# Altium PCB STM32F7_CoreBoard Last Design.PcbDoc (part 1 of 2) (continued)
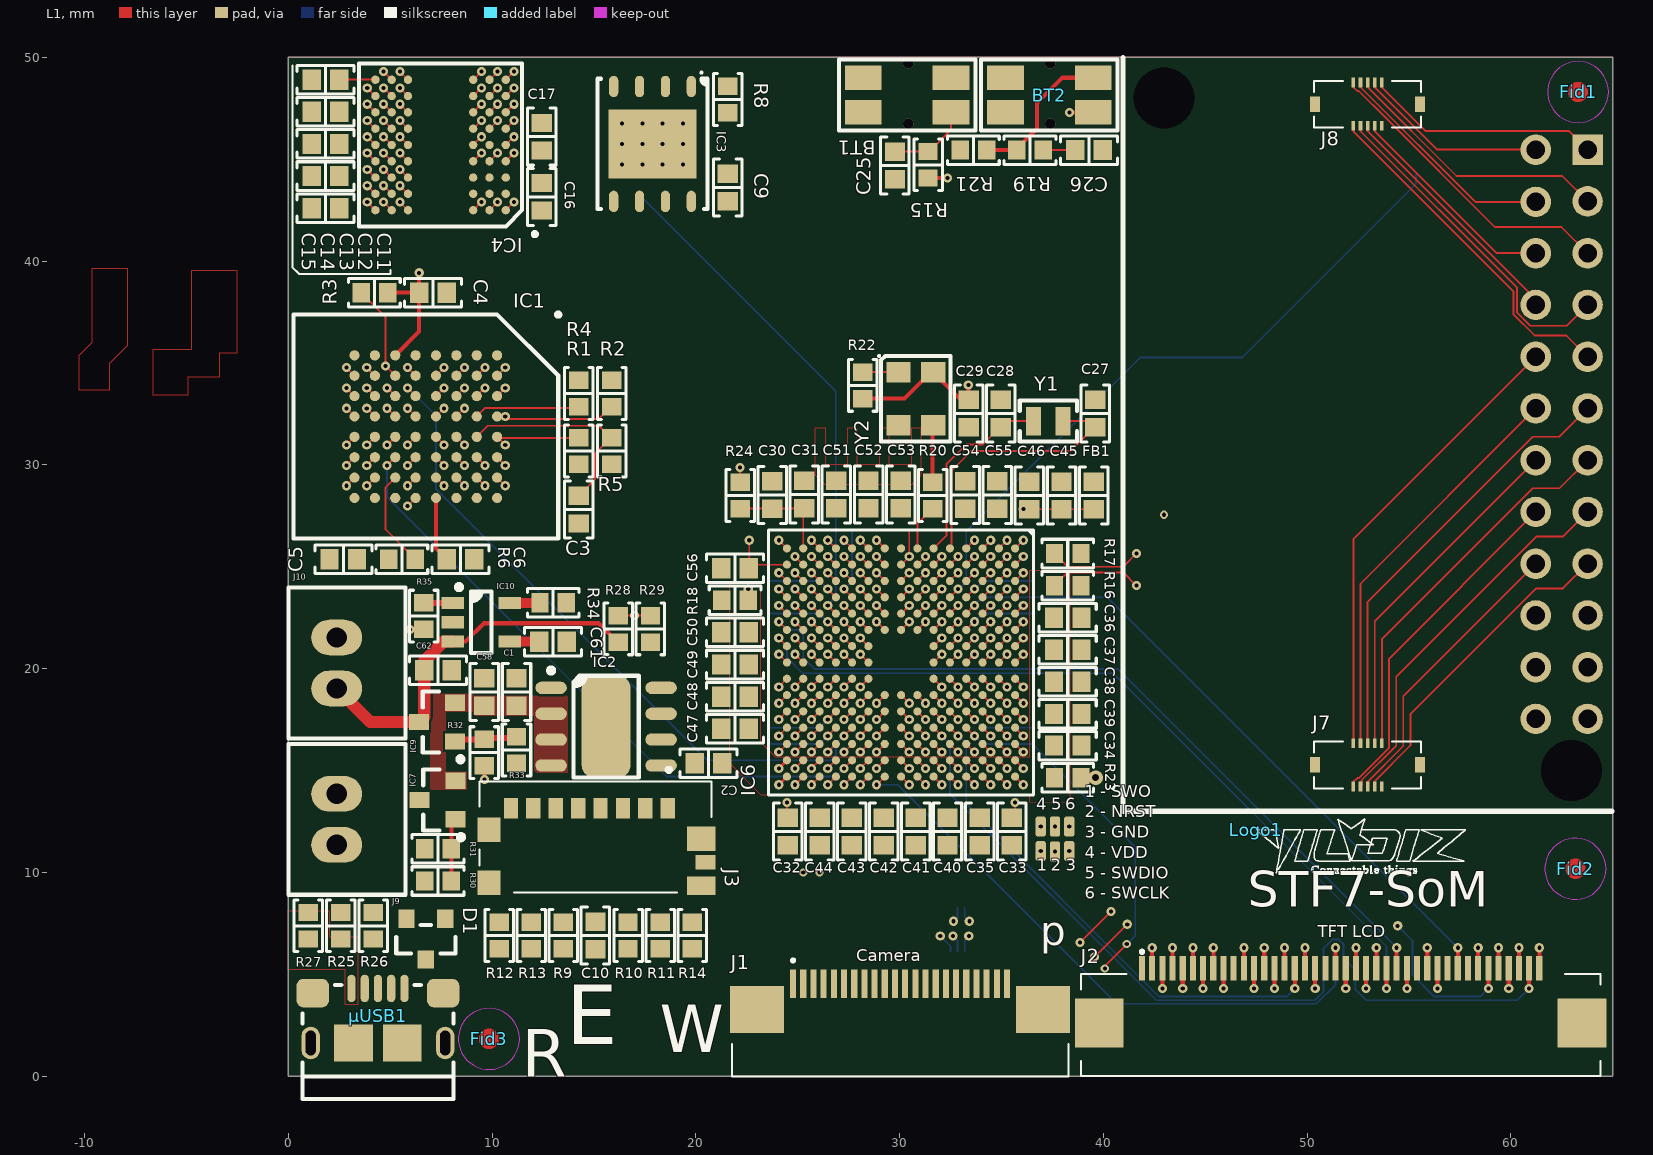
[diagram p0: L1 view]
## Part data (continued)
IC3: library part "WINBOND FLASH SPI 8PIN", Manufacturer=Winbond, Manufacturer Part Number=W25Q128JVPIM, Supplier Part Number 1=W25Q128JVPIM-ND, ComponentLink1Description=http://www.winbond.com/resource-files/w25q128jv_dtr%20revc%2003272018%20plus.pdf?src-supplier=Digi-Key, ComponentLink1URL=http://www.winbond.com/resource-files/w25q128jv_dtr%20revc%2003272018%20plus.pdf?src-supplier=Digi-Key, Pricing 1="1 = 1,47000, 10 = 1,34200, 25 = 1,30640, 50 = 1,29940, 100 = 1,16150, 250 = 1,15808, 500 = 1,14084, 1000 = 1,09189, 5000 = 1,01675 (USD)", RoHS=No, Stock 1=3127, Supplier 1=Digi-Key
IC4: library part "MICRON 256Mb SDRAM", "MT48LC64M4A2 – 16 Meg x 4 x 4 banks / MT48LC32M8A2 – 8 Meg x 8 x 4 banks / MT48LC16M16A2 – 4 Meg x 16 x 4 banks", Manufacturer="Alliance Memory", Manufacturer Part Number=MT48LC16M16A2F4-6A:GTR, Supplier Part Number 1=1450-1350-1-ND, ComponentLink1Description=https://media.digikey.com/pdf/Data%20Sheets/Alliance%20Memory%20PDFs/MT48LC64M4A2,%2032M8A2,%2016M16A2.pdf?src-supplier=Digi-Key, ComponentLink1URL=https://media.digikey.com/pdf/Data%20Sheets/Alliance%20Memory%20PDFs/MT48LC64M4A2,%2032M8A2,%2016M16A2.pdf?src-supplier=Digi-Key, Pricing 1="1 = 3,29000, 10 = 2,95500, 25 = 2,90800, 50 = 2,90020, 100 = 2,59150, 250 = 2,50728, 500 = 2,49792, 1000 = 2,32640 (USD)", RoHS=No, Stock 1=1333, Supplier 1=Digi-Key
IC6: library part "ST STM32F75XNXH 216 PIN", "Arm®-based Cortex®-M7 32b MCU+FPU, 462DMIPS, 64KB Flash/320+16+ 4KB RAM, USB OTG HS/FS, 25 com IF, Cam, LCD", Manufacturer=STMicroelectronics, Manufacturer Part Number=STM32F750N8H6, Supplier Part Number 1=497-18106-ND, ComponentLink1Description=https://www.st.com/resource/en/datasheet/stm32f750v8.pdf?src-supplier=Digi-Key, ComponentLink1URL=https://www.st.com/resource/en/datasheet/stm32f750v8.pdf?src-supplier=Digi-Key, Pricing 1="1 = 9,70000, 10 = 8,76200, 25 = 8,35480, 100 = 7,25440, 250 = 6,92836, 500 = 6,31702, 1000 = 5,50193 (USD)", RoHS=No, Stock 1=61, Supplier 1=Digi-Key
IC7: library part IRLML6244TRPBF, "MOSFET N-CH 20V 6.3A SOT-23", Case/Package=SOT-23, Continuous Drain Current (ID)=6.3A, Drain to Source Breakdown Voltage=20V, Drain to Source Resistance=21mR, Gate to Source Voltage (Vgs)=12V, Input Capacitance=700pF, Manufacturer="International Rectifier", Max Operating Temperature=150°C, Max Power Dissipation=1.3W, Min Operating Temperature=-55°C, On-State Resistance=27MR, Package Quantity=3000, Supplier Part Number 1=IRLML6244TRPBFCT-ND, Threshold Voltage=900mV, ComponentLink1Description=Datasheet, ComponentLink1URL=https://www.infineon.com/dgdl/irlml6244pbf.pdf?fileId=5546d462533600a4015356686fed261f, ComponentLink2Description="DigiKey Link", ComponentLink2URL=http://digikey.com/product-detail/en/infineon-technologies/IRLML6244TRPBF/IRLML6244TRPBFCT-ND/2393877, ComponentLink3Description=https://datasheet.ciiva.com/7935/irlml6244pbf-7935686.pdf?src-supplier=Element14, ComponentLink3URL=https://datasheet.ciiva.com/7935/irlml6244pbf-7935686.pdf?src-supplier=Element14, ComponentLink4Description=https://datasheet.ciiva.com/6369/irlml6244pbf-6369001.pdf?src-supplier=Digi-Key, ComponentLink4URL=https://datasheet.ciiva.com/6369/irlml6244pbf-6369001.pdf?src-supplier=Digi-Key, ComponentLink5Description=https://datasheet.ciiva.com/6369/irlml6244pbf-6369003.pdf?src-supplier=Digi-Key, ComponentLink5URL=https://datasheet.ciiva.com/6369/irlml6244pbf-6369003.pdf?src-supplier=Digi-Key, ComponentLink6Description=https://datasheet.ciiva.com/6369/irlml6244pbf-6369005.pdf?src-supplier=Digi-Key, ComponentLink6URL=https://datasheet.ciiva.com/6369/irlml6244pbf-6369005.pdf?src-supplier=Digi-Key, ComponentLink7Description=https://datasheet.ciiva.com/29325/161189-da-01-en-mosfet-irlml6244trpbf-sot23-ir-29325543.pdf?src-supplier=Conrad, ComponentLink7URL=https://datasheet.ciiva.com/29325/161189-da-01-en-mosfet-irlml6244trpbf-sot23-ir-29325543.pdf?src-supplier=Conrad, Drain to Source Voltage (Vdss)=20V, Element Configuration=Single, Fall Time=12ns, Height=1.02mm, Lead Free="Lead Free", Length=3.04mm, Manufacturer Part Number=IRLML6244TRPBF, Mount="Surface Mount", Nominal Vgs=12V, Number of Elements=1, Number of Pins=3, Packaging="Tape and Reel", Power Dissipation=1.3W, Pricing 1="1 = 0,36000, 10 = 0,29400, 25 = 0,26880, 100 = 0,16880, 250 = 0,16688, 500 = 0,15626, 1000 = 0,10625 (USD)", Radiation Hardening=No, Rds On Max=21mR, REACH SVHC="No SVHC", Recovery Time=18ns, Rise Time=7.5ns, RoHS=Yes, Stock 1=35650, Supplier 1=Digi-Key, Turn-Off Delay Time=19ns, Turn-On Delay Time=4.9ns, Width=1.4mm
IC9: library part IRLML6402TRPBF, "MOSFET P-CH 20V 3.7A SOT-23", Case/Package=SOT-23, Continuous Drain Current (ID)=3.7A, Current Rating=-3.7A, Drain to Source Breakdown Voltage=-20V, Drain to Source Resistance=65mR, Drain to Source Voltage (Vdss)=20V, Gate to Source Voltage (Vgs)=12V, Input Capacitance=633pF, Manufacturer="International Rectifier", Max Operating Temperature=150°C, Max Power Dissipation=1.3W, Min Operating Temperature=-55°C, Package Quantity=1, Supplier Part Number 1=IRLML6402PBFCT-ND, Threshold Voltage=-550mV, ComponentLink1Description=Datasheet, ComponentLink1URL=https://www.infineon.com/dgdl/irlml6402pbf.pdf?fileId=5546d462533600a401535668d5c2263c, ComponentLink2Description="DigiKey Link", ComponentLink2URL=http://digikey.com/product-detail/en/infineon-technologies/IRLML6402TRPBF/IRLML6402PBFCT-ND/812500, ComponentLink3Description=https://datasheet.ciiva.com/34302/1563729-34302500.pdf?src-supplier=Jameco, ComponentLink3URL=https://datasheet.ciiva.com/34302/1563729-34302500.pdf?src-supplier=Jameco, ComponentLink4Description=https://datasheet.ciiva.com/7333/irlml6402-7333200.pdf?src-supplier=Newark, ComponentLink4URL=https://datasheet.ciiva.com/7333/irlml6402-7333200.pdf?src-supplier=Newark, ComponentLink5Description=https://datasheet.ciiva.com/28515/irlml6402pbf-28515795.pdf?src-supplier=Element14, ComponentLink5URL=https://datasheet.ciiva.com/28515/irlml6402pbf-28515795.pdf?src-supplier=Element14, ComponentLink6Description=https://datasheet.ciiva.com/7799/13209-7799017.pdf?src-supplier=Element14, ComponentLink6URL=https://datasheet.ciiva.com/7799/13209-7799017.pdf?src-supplier=Element14, ComponentLink7Description=https://datasheet.ciiva.com/29326/162833-da-01-en-irlml-6402tr-29326798.pdf?src-supplier=Conrad, ComponentLink7URL=https://datasheet.ciiva.com/29326/162833-da-01-en-irlml-6402tr-29326798.pdf?src-supplier=Conrad, ComponentLink8Description=https://datasheet.ciiva.com/936/irlml6402pbf-936987.pdf?src-supplier=Digi-Key, ComponentLink8URL=https://datasheet.ciiva.com/936/irlml6402pbf-936987.pdf?src-supplier=Digi-Key, ComponentLink9Description=https://datasheet.ciiva.com/16311/irlml6402pbf-16311535.pdf?src-supplier=Future+Electronics, ComponentLink9URL=https://datasheet.ciiva.com/16311/irlml6402pbf-16311535.pdf?src-supplier=Future+Electronics, Dual Supply Voltage=-20V, Element Configuration=Single, Fall Time=381ns, Height=1.02mm, Lead Free="Lead Free", Length=3.04mm, Manufacturer Part Number=IRLML6402TRPBF, Mount="Surface Mount", Nominal Vgs=-550mV, Number of Elements=1, Number of Pins=3, On-State Resistance=65mR, Packaging="Tape and Reel", Power Dissipation=1.3W, Pricing 1="1 = 0,36000, 10 = 0,28800, 25 = 0,26360, 100 = 0,16550, 250 = 0,16368, 500 = 0,15326, 1000 = 0,10421 (USD)", Radiation Hardening=No, Rds On Max=65mR, REACH SVHC="No SVHC", Rise Time=48ns, RoHS=Yes, Stock 1=132544, Supplier 1=Digi-Key, Termination=SMD/SMT, Turn-Off Delay Time=588ns, Turn-On Delay Time=350ns, Voltage Rating (DC)=-20V, Width=1.4mm
IC10: library part "MICROCHIP MCP73831", "Miniature Single-Cell, Fully integrated Li-Ion, Li-Polymer charge management controllers", Manufacturer=Microchip, Manufacturer Part Number=MCP73831T-2ACI/OT, Supplier Part Number 1=MCP73831T-2ACI/OTCT-ND, ComponentLink1Description=https://datasheet.ciiva.com/22828/0900766b80d2b53a-22828876.pdf?src-supplier=RSComponents, ComponentLink1URL=https://datasheet.ciiva.com/22828/0900766b80d2b53a-22828876.pdf?src-supplier=RSComponents, ComponentLink2Description=https://datasheet.ciiva.com/26344/651521-da-01-en-contr-mcp73831t-2aci-ot-sot-23-5-mcp-26344458.pdf?src-supplier=Conrad, ComponentLink2URL=https://datasheet.ciiva.com/26344/651521-da-01-en-contr-mcp73831t-2aci-ot-sot-23-5-mcp-26344458.pdf?src-supplier=Conrad, ComponentLink3Description=https://datasheet.ciiva.com/1931/21984e-1931953.pdf?src-supplier=Digi-Key, ComponentLink3URL=https://datasheet.ciiva.com/1931/21984e-1931953.pdf?src-supplier=Digi-Key, ComponentLink4Description=https://datasheet.ciiva.com/1931/21984e-1931954.pdf?src-supplier=Digi-Key, ComponentLink4URL=https://datasheet.ciiva.com/1931/21984e-1931954.pdf?src-supplier=Digi-Key, ComponentLink5Description=https://datasheet.ciiva.com/1137/630369-1137803.pdf?src-supplier=Element14, ComponentLink5URL=https://datasheet.ciiva.com/1137/630369-1137803.pdf?src-supplier=Element14, ComponentLink6Description=https://datasheet.ciiva.com/1144/630369-1144461.pdf?src-supplier=Newark, ComponentLink6URL=https://datasheet.ciiva.com/1144/630369-1144461.pdf?src-supplier=Newark, ComponentLink7Description=https://datasheet.ciiva.com/1931/21984e-1931955.pdf?src-supplier=Digi-Key, ComponentLink7URL=https://datasheet.ciiva.com/1931/21984e-1931955.pdf?src-supplier=Digi-Key, ComponentLink8Description=https://datasheet.ciiva.com/28626/630369-28626439.pdf?src-supplier=Element14, ComponentLink8URL=https://datasheet.ciiva.com/28626/630369-28626439.pdf?src-supplier=Element14, ComponentLink9Description=https://datasheet.ciiva.com/3213/21984e-3213404.pdf?src-supplier=Avnet, ComponentLink9URL=https://datasheet.ciiva.com/3213/21984e-3213404.pdf?src-supplier=Avnet, ComponentLink10Description=https://datasheet.ciiva.com/46385/630369-46385324.pdf?src-supplier=Element14, ComponentLink10URL=https://datasheet.ciiva.com/46385/630369-46385324.pdf?src-supplier=Element14, Pricing 1="1 = 0,56000, 25 = 0,47000, 100 = 0,42000 (USD)", RoHS=Yes, Stock 1=29869, Supplier 1=Digi-Key
J1: library part FPC-22, "Connector", Contact Resistance=30mR, Current Rating=500mA, Flammability Rating="UL94 V-0", Housing Color=Black, Insulation Resistance=100MR, Manufacturer="Amphenol FCI", Manufacturer Part Number=SFV22R-2STE1HLF, Max Operating Temperature=105°C, Max Voltage Rating (AC)=50V, Min Operating Temperature=-55°C, Package Quantity=3000, Supplier Part Number 1=609-4319-1-ND, Actuator Material=Glass,Polyphenylene, ComponentLink1Description=https://datasheet.ciiva.com/670/10112793-670003.pdf?src-supplier=Digi-Key, ComponentLink1URL=https://datasheet.ciiva.com/670/10112793-670003.pdf?src-supplier=Digi-Key, ComponentLink2Description=https://datasheet.ciiva.com/670/10112793-670004.pdf?src-supplier=Digi-Key, ComponentLink2URL=https://datasheet.ciiva.com/670/10112793-670004.pdf?src-supplier=Digi-Key, ComponentLink3Description=https://datasheet.ciiva.com/13704/10112793-13704492.pdf?src-supplier=Mouser, ComponentLink3URL=https://datasheet.ciiva.com/13704/10112793-13704492.pdf?src-supplier=Mouser, ComponentLink4Description=https://datasheet.ciiva.com/670/10112793-670005.pdf?src-supplier=Digi-Key, ComponentLink4URL=https://datasheet.ciiva.com/670/10112793-670005.pdf?src-supplier=Digi-Key, ComponentLink5Description=https://datasheet.ciiva.com/10368/10112793-10368190.pdf?src-supplier=Avnet, ComponentLink5URL=https://datasheet.ciiva.com/10368/10112793-10368190.pdf?src-supplier=Avnet, Contact Location=Top, Contact Material=Bronze, Contact Plating=Tin, Depth=4.9mm, Housing Material=Polymer, Length=16.5mm, Max Current Rating=500mA, Mount="Surface Mount", Number of Contacts=22, Number of Positions=22, Number of Rows=1, Orientation="Right Angle", Packaging="Tape and Reel", Pitch=0.5mm, Pricing 1="1 = 0,79000, 10 = 0,74300, 25 = 0,66840, 50 = 0,59420, 100 = 0,56950, 250 = 0,52000, 500 = 0,49522, 1000 = 0,40856 (USD)", Radiation Hardening=No, RoHS=Yes, Stock 1=2152, Supplier 1=Digi-Key, Termination=Solder, Voltage Rating=50V, Wire/Cable Type=Straight
J2: library part FPC-40, "Connector", Contact Resistance=30mR, Current Rating=500mA, Flammability Rating="UL94 V-0", Housing Color=Beige, Insulation Resistance=100MR, Manufacturer="Amphenol FCI", Manufacturer Part Number=62684-401100ALF, Max Operating Temperature=85°C, Max Voltage Rating (AC)=50V, Min Operating Temperature=-55°C, Package Quantity=2000, Supplier Part Number 1=609-1195-1-ND, Actuator Material=Glass,Thermoplastic, ComponentLink1Description=https://datasheet.ciiva.com/25631/0900766b8118e51f-25631168.pdf?src-supplier=RSComponents, ComponentLink1URL=https://datasheet.ciiva.com/25631/0900766b8118e51f-25631168.pdf?src-supplier=RSComponents, ComponentLink2Description=https://datasheet.ciiva.com/3112/62684-3112007.pdf?src-supplier=Avnet, ComponentLink2URL=https://datasheet.ciiva.com/3112/62684-3112007.pdf?src-supplier=Avnet, ComponentLink3Description=https://datasheet.ciiva.com/670/62684-670200.pdf?src-supplier=Digi-Key, ComponentLink3URL=https://datasheet.ciiva.com/670/62684-670200.pdf?src-supplier=Digi-Key, ComponentLink4Description=https://datasheet.ciiva.com/670/62684-670201.pdf?src-supplier=Digi-Key, ComponentLink4URL=https://datasheet.ciiva.com/670/62684-670201.pdf?src-supplier=Digi-Key, ComponentLink5Description=https://datasheet.ciiva.com/670/62684-670202.pdf?src-supplier=Digi-Key, ComponentLink5URL=https://datasheet.ciiva.com/670/62684-670202.pdf?src-supplier=Digi-Key, ComponentLink6Description=https://datasheet.ciiva.com/16659/62684-16659882.pdf?src-supplier=Avnet+Europe, ComponentLink6URL=https://datasheet.ciiva.com/16659/62684-16659882.pdf?src-supplier=Avnet+Europe, ComponentLink7Description=https://datasheet.ciiva.com/16709/70236840-16709916.pdf?src-supplier=Allied+Electronics, ComponentLink7URL=https://datasheet.ciiva.com/16709/70236840-16709916.pdf?src-supplier=Allied+Electronics, ComponentLink8Description=https://datasheet.ciiva.com/3112/62684-3112397.pdf?src-supplier=Avnet, ComponentLink8URL=https://datasheet.ciiva.com/3112/62684-3112397.pdf?src-supplier=Avnet, ComponentLink9Description=https://datasheet.ciiva.com/5772/62684-5772782.pdf?src-supplier=Farnell, ComponentLink9URL=https://datasheet.ciiva.com/5772/62684-5772782.pdf?src-supplier=Farnell, Contact Location=Bottom, Contact Material=Bronze, Contact Plating=Gold, Depth=5mm, Gender=Receptacle, Housing Material=Thermoplastic, Lead Free="Lead Free", Length=25.5mm, Max Voltage Rating (DC)=50V, Mount="Surface Mount", Number of Contacts=40, Number of Positions=40, Number of Rows=1, Orientation="Right Angle", Packaging="Tape and Reel", Pitch=0.5mm, Pricing 1="1 = 0,97000, 10 = 0,85600, 25 = 0,80600, 50 = 0,77240, 100 = 0,73880, 250 = 0,67168, 500 = 0,60450, 1000 = 0,53733 (USD)", REACH SVHC="No SVHC", RoHS=Yes, Stock 1=13351, Supplier 1=Digi-Key, Termination=Solder, Voltage Rating=50V, Width=5mm
J3: library part "uSD Card", "Connector", Manufacturer=Molex, Manufacturer Part Number=0475710001, Max Operating Temperature=85°C, Min Operating Temperature=-40°C, Package Quantity=1500, Supplier Part Number 1=WM9731CT-ND, ComponentLink1Description=https://datasheet.ciiva.com/15082/475710001-sd-15082838.pdf?src-supplier=Digi-Key, ComponentLink1URL=https://datasheet.ciiva.com/15082/475710001-sd-15082838.pdf?src-supplier=Digi-Key, ComponentLink2Description=https://datasheet.ciiva.com/3938/228290475710001-memory-card-socket-3938351.pdf?src-supplier=Arrow, ComponentLink2URL=https://datasheet.ciiva.com/3938/228290475710001-memory-card-socket-3938351.pdf?src-supplier=Arrow, ComponentLink3Description=https://datasheet.ciiva.com/2943/0475710001-memory-card-socket-2943559.pdf?src-supplier=Digi-Key, ComponentLink3URL=https://datasheet.ciiva.com/2943/0475710001-memory-card-socket-2943559.pdf?src-supplier=Digi-Key, ComponentLink4Description=https://datasheet.ciiva.com/15082/475710001-sd-15082839.pdf?src-supplier=Digi-Key, ComponentLink4URL=https://datasheet.ciiva.com/15082/475710001-sd-15082839.pdf?src-supplier=Digi-Key, ComponentLink5Description=https://datasheet.ciiva.com/15082/475710001-sd-15082840.pdf?src-supplier=Digi-Key, ComponentLink5URL=https://datasheet.ciiva.com/15082/475710001-sd-15082840.pdf?src-supplier=Digi-Key, Connector Type=Connector, Contact Material=Bronze, Contact Plating=Gold, Datasheet Link=https://www.molex.com/pdm_docs/sd/475710001_sd.pdf, Depth=5.45mm, Height=2.3mm, Housing Material=Polymer, Length=11.4mm, Mount="Surface Mount", Number of Contacts=8, Number of Rows=1, Orientation="Right Angle", Packaging="Tape and Reel", Pitch=1.1mm, Pricing 1="1 = 1,030000, 10 = 0,906000, 25 = 0,852400, 50 = 0,817000, 100 = 0,781400, 250 = 0,710400, 500 = 0,639340 (USD)", RoHS=Yes, Stock 1=37136, Supplier 1=Digi-Key, Termination=Solder
J5 J6 J7 J8 J11: library part "12 Pin (10 + 2 Power) B2B Socket", "Board to Board Connector", Manufacturer=Hirose, Manufacturer Part Number=BM24-10DS/2-0.35V(53), Supplier Part Number 1=H124928CT-ND, ComponentLink1Description=https://media.digikey.com/pdf/Data%20Sheets/Hirose%20PDFs/BM24.pdf?src-supplier=Digi-Key, ComponentLink1URL=https://media.digikey.com/pdf/Data%20Sheets/Hirose%20PDFs/BM24.pdf?src-supplier=Digi-Key, ComponentLink2Description=https://www.hirose.com/product/download/?distributor=digikey&type=2d&lang=en&num=BM24-10DS/2-0.35V(53)&src-supplier=Digi-Key, ComponentLink2URL=https://www.hirose.com/product/download/?distributor=digikey&type=2d&lang=en&num=BM24-10DS/2-0.35V(53)&src-supplier=Digi-Key, ComponentLink3Description=https://www.hirose.com/product/en/download_file/key_name/BM24-10DS__2-0.35V%2853%29/category/Specification%20Sheet/doc_file_id/87041/?file_category_id=9&item_id=06772002153&is_series=&src-supplier=Digi-Key, ComponentLink3URL=https://www.hirose.com/product/en/download_file/key_name/BM24-10DS__2-0.35V%2853%29/category/Specification%20Sheet/doc_file_id/87041/?file_category_id=9&item_id=06772002153&is_series=&src-supplier=Digi-Key, Connector Type=Socket, Contact Plating=Gold, Mated Stacking Heights=0.8mm, Mount="Surface Mount", Number of Pins=10, Number of Rows=2, Packaging="Tape and Reel", Pitch=0.014inch, Pricing 1="1 = 1,05000, 10 = 0,92600, 25 = 0,87120, 50 = 0,83500, 100 = 0,79860, 250 = 0,72600, 500 = 0,65340 (USD)", RoHS=Yes, Stock 1=2056, Supplier 1=Digi-Key
J9 J10: Color=Natural, Manufacturer=JST, Manufacturer Part Number=BM02B-GHS-TBT(LF)(SN)(N), Supplier Part Number 1=455-1578-1-ND, ComponentLink1Description=http://www.jst-mfg.com/product/pdf/eng/eGH.pdf?src-supplier=Digi-Key, ComponentLink1URL=http://www.jst-mfg.com/product/pdf/eng/eGH.pdf?src-supplier=Digi-Key, Connector Type="Outer Shroud Contact", Contact Plating=Tin, Fastening Type=Ramp, Lead Free="Lead Free", Mount="Surface Mount", Number of Positions=2, Number of Rows=1, Packaging="Tape and Reel", Pitch=0.049inch, Pricing 1="1 = 0,43000, 10 = 0,40500, 100 = 0,28330, 500 = 0,24284, 1000 = 0,20236 (USD)", RoHS=Yes, Stock 1=38486, Supplier 1=Digi-Key, Termination=Solder
Logo1 Logo2: library part Logo, "Schematic symbol for Logo"
R1 R2 R3 R4 R5 R6 R8 R14 R15 R16 R17 R18 R19 R21 R22 R30 R31 R32 R33 R35: library part Resistor_Chip, "Ceramic, SMT Capacitor", Case/Package=0603, Case Code (Metric)=1608, Manufacturer="Stackpole Electronics", Manufacturer Part Number=RNCP0603FTD10K0, Max Operating Temperature=155°C, Max Power Dissipation=125mW, Min Operating Temperature=-55°C, Supplier Part Number 1=RNCP0603FTD10K0CT-ND, Temperature Coefficient=100ppm/°C, Tolerance=1%, Case Code (Imperial)=0603, Composition="Thin Film", Height=0.02inch, Lead Free="Lead Free", Length=0.059inch, Mount="Surface Mount", Number of Terminations=2, Packaging="Tape and Reel", Pricing 1="1 = 0,10000, 10 = 0,06700, 100 = 0,02730, 1000 = 0,01224, 2500 = 0,01063 (USD)", Radiation Hardening=No, Resistance=10kR, RoHS=Yes, Supplier 1=Digi-Key, Width=0.031inch
  R1 R2 R3 R4 R5 R6 R8: ComponentLink1Description=https://www.seielect.com/Catalog/SEI-rncp.pdf?src-supplier=Avnet, ComponentLink1URL=https://www.seielect.com/Catalog/SEI-rncp.pdf?src-supplier=Avnet, ComponentLink2Description=https://www.seielect.com/catalog/SEI-Packaging.pdf?src-supplier=Digi-Key, ComponentLink2URL=https://www.seielect.com/catalog/SEI-Packaging.pdf?src-supplier=Digi-Key, ComponentLink3Description=https://www.seielect.com/Catalog/SEI-rncp.pdf?src-supplier=Digi-Key, ComponentLink3URL=https://www.seielect.com/Catalog/SEI-rncp.pdf?src-supplier=Digi-Key, Contact Plating=Tin,Matte, Features="Moisture Resistant,Anti-Sulfur", Stock 1=619664
  R14 R15 R16 R17 R18 R19 R21 R22 R30 R31 R32 R33 R35: Contact Plating=Matte,Tin, Features="Anti-Sulfur,Moisture Resistant", Stock 1=183083
R9 R10 R11 R12 R13: library part Resistor_Chip, "Ceramic, SMT Capacitor", Case/Package=0603, Case Code (Metric)=1608, Manufacturer=Yageo, Manufacturer Part Number=RC0603JR-074K7L, Max Operating Temperature=155°C, Min Operating Temperature=-55°C, Power Rating=100mW, Supplier Part Number 1=311-4.7KGRCT-ND, Temperature Coefficient=100ppm/°C, Tolerance=5%, Voltage Rating=50V, Case Code (Imperial)=0603, ComponentLink1Description=https://datasheet.ciiva.com/46412/443971-46412858.pdf?src-supplier=Element14, ComponentLink1URL=https://datasheet.ciiva.com/46412/443971-46412858.pdf?src-supplier=Element14, Composition="Thick Film", Depth=0.8mm, Lead Free="Lead Free", Length=1.6mm, Military Standard=Not, Number of Pins=2, Packaging="Tape and Reel", Pricing 1="1 = 0,10000, 10 = 0,02000, 100 = 0,00810, 1000 = 0,00362, 2500 = 0,00314 (USD)", REACH SVHC="No SVHC", Resistance=4.7kR, RoHS=Yes, Stock 1=18785107, Supplier 1=Digi-Key, Termination=SMD/SMT, Voltage Rating (DC)=50V, Width=0.8mm
R20: library part Resistor_Chip, "Ceramic, SMT Capacitor", Case/Package=0603, Case Code (Metric)=1608, Manufacturer="Stackpole Electronics", Manufacturer Part Number=RMCF0603FT100R, Max Operating Temperature=155°C, Max Power Dissipation=100mW, Min Operating Temperature=-55°C, Supplier Part Number 1=RMCF0603FT100RCT-ND, Temperature Coefficient=100ppm/°C, Tolerance=1%, Case Code (Imperial)=0603, ComponentLink1Description=https://datasheet.ciiva.com/15215/getdatasheetpartid-360413-15215981.pdf?src-supplier=Verical, ComponentLink1URL=https://datasheet.ciiva.com/15215/getdatasheetpartid-360413-15215981.pdf?src-supplier=Verical, Composition="Thick Film", Contact Plating=Tin, Depth=0.8mm, Features="Automotive AEC-Q200", Height=0.022inch, Lead Free="Lead Free", Length=1.55mm, Military Standard=Not, Mount="Surface Mount", Number of Terminations=2, Packaging="Tape and Reel", Power Rating=100mW, Pricing 1="1 = 0,10000, 10 = 0,01700, 100 = 0,00680, 1000 = 0,00306, 2500 = 0,00266 (USD)", Radiation Hardening=No, Resistance=100R, RoHS=Yes, Stock 1=3526625, Supplier 1=Digi-Key, Width=0.031inch
R23 R24: library part Resistor_Chip, "Ceramic, SMT Capacitor", Case/Package=0603, Case Code (Metric)=1608, Current Rating=1A, Manufacturer="Stackpole Electronics", Manufacturer Part Number=RMCF0603ZT0R00, Max Operating Temperature=155°C, Max Power Dissipation=100mW, Min Operating Temperature=-55°C, Supplier Part Number 1=RMCF0603ZT0R00CT-ND, Working Voltage=75V, Case Code (Imperial)=0603, ComponentLink1Description=https://www.seielect.com/catalog/SEI-Packaging.pdf?src-supplier=Avnet, ComponentLink1URL=https://www.seielect.com/catalog/SEI-Packaging.pdf?src-supplier=Avnet, ComponentLink2Description=https://www.seielect.com/catalog/SEI-Packaging.pdf?src-supplier=Verical, ComponentLink2URL=https://www.seielect.com/catalog/SEI-Packaging.pdf?src-supplier=Verical, ComponentLink3Description=https://www.seielect.com/catalog/SEI-Packaging.pdf?src-supplier=Arrow, ComponentLink3URL=https://www.seielect.com/catalog/SEI-Packaging.pdf?src-supplier=Arrow, ComponentLink4Description=https://www.seielect.com/catalog/SEI-Packaging.pdf?src-supplier=Digi-Key, ComponentLink4URL=https://www.seielect.com/catalog/SEI-Packaging.pdf?src-supplier=Digi-Key, ComponentLink5Description=https://www.seielect.com/Catalog/SEI-RMCF_RMCP.pdf?src-supplier=Digi-Key, ComponentLink5URL=https://www.seielect.com/Catalog/SEI-RMCF_RMCP.pdf?src-supplier=Digi-Key, ComponentLink6Description=https://www.seielect.com/catalog/SEI-RMCF_RMCP.pdf?src-supplier=Avnet+Asia, ComponentLink6URL=https://www.seielect.com/catalog/SEI-RMCF_RMCP.pdf?src-supplier=Avnet+Asia, ComponentLink7Description=http://www.seielect.com/catalog/sei-rmc.pdf?src-supplier=Future+Electronics, ComponentLink7URL=http://www.seielect.com/catalog/sei-rmc.pdf?src-supplier=Future+Electronics, ComponentLink8Description=https://www.seielect.com/catalog/SEI-Packaging.pdf?src-supplier=Future+Electronics, ComponentLink8URL=https://www.seielect.com/catalog/SEI-Packaging.pdf?src-supplier=Future+Electronics, Composition="Thick Film", Contact Plating=Tin, Depth=0.8mm, Features="Automotive AEC-Q200", Height=0.022inch, Lead Free="Lead Free", Length=1.55mm, Military Standard=Not, Mount="Surface Mount", NC=NC, Number of Terminations=2, Packaging="Tape and Reel", Power Rating=100mW, Pricing 1="1 = 0,10000, 10 = 0,01600, 25 = 0,01160, 50 = 0,00880, 100 = 0,00640, 250 = 0,00492, 500 = 0,00392, 1000 = 0,00289 (USD)", Radiation Hardening=No, Resistance=0mR, RoHS=Yes, Stock 1=3894946, Supplier 1=Digi-Key, Width=0.031inch
R25 R26: library part Resistor_Chip, "Ceramic, SMT Capacitor", Case/Package=0603, Case Code (Metric)=1608, Manufacturer=Panasonic, Manufacturer Part Number=ERJ3EKF20R0V, Max Operating Temperature=155°C, Max Power Dissipation=100mW, Min Operating Temperature=-55°C, Package Quantity=1, Supplier Part Number 1=P20.0HCT-ND, Temperature Coefficient=100ppm/°C, Tolerance=1%, Voltage Rating=75V, Voltage Rating (DC)=50V, Case Code (Imperial)=0603, ComponentLink1Description=http://industrial.panasonic.com/www-data/pdf/AOA0000/AOA0000CE2.pdf, ComponentLink1URL=http://industrial.panasonic.com/www-data/pdf/AOA0000/AOA0000CE2.pdf, ComponentLink2Description=https://www.alliedelec.com/m/d/623f45ff1957d936ff56d46fd1c28cac.pdf, ComponentLink2URL=https://www.alliedelec.com/m/d/623f45ff1957d936ff56d46fd1c28cac.pdf, ComponentLink3Description=http://www.jameco.com/Jameco/Products/ProdDS/1987732.pdf, ComponentLink3URL=http://www.jameco.com/Jameco/Products/ProdDS/1987732.pdf, ComponentLink4Description=http://www.farnell.com/datasheets/1678782.pdf, ComponentLink4URL=http://www.farnell.com/datasheets/1678782.pdf, ComponentLink5Description=http://www.farnell.com/datasheets/1911175.pdf, ComponentLink5URL=http://www.farnell.com/datasheets/1911175.pdf, ComponentLink6Description=http://www.mouser.com/ds/2/315/AOA0000CE2-37512.pdf, ComponentLink6URL=http://www.mouser.com/ds/2/315/AOA0000CE2-37512.pdf, Composition="Thick Film", Contact Plating=Tin, Depth=0.8mm, Features="Automotive AEC-Q200", Height=0.45mm, Lead Free="Lead Free", Length=1.6mm, Military Standard=Not, Mount="Surface Mount", Number of Terminations=2, Packaging="Tape and Reel", Power Rating=100mW, Pricing 1="1 = 0,10000, 10 = 0,06500, 100 = 0,02640, 1000 = 0,01186, 2500 = 0,01029 (USD)", Radiation Hardening=No, REACH SVHC="No SVHC", Resistance=20R, RoHS=Yes, Stock 1=1013618, Supplier 1=Digi-Key, Termination=SMD/SMT, Width=0.031inch
R27: library part Resistor_Chip, "Ceramic, SMT Capacitor", Case/Package=0603, Manufacturer="Yageo Phycomp", Manufacturer Part Number=RC0603FR-074K7L, Max Operating Temperature=155°C, Min Operating Temperature=-55°C, Power Rating=100mW, Supplier Part Number 1=311-4.70KHRCT-ND, Temperature Coefficient=100ppm/°C, Tolerance=1%, Voltage Rating (DC)=50V, Depth=0.8mm, Height=0.45mm, Lead Free="Lead Free", Length=1.6mm, Mount="Surface Mount", Number of Pins=2, Packaging="Cut Tape", Pricing 1="1 = 0,10000, 10 = 0,02400, 100 = 0,00970, 1000 = 0,00437, 2500 = 0,00379 (USD)", REACH SVHC="No SVHC", Resistance=4.7kR, RoHS=Yes, Stock 1=21621510, Supplier 1=Digi-Key, Width=800um
R28 R29: library part Resistor_Chip, "Ceramic, SMT Capacitor", Case/Package=0603, Case Code (Metric)=1608, Manufacturer="Vishay Dale", Manufacturer Part Number=CRCW060330M0JPEAHR, Max Operating Temperature=155°C, Max Power Dissipation=100mW, Min Operating Temperature=-55°C, Package Quantity=5000, Supplier Part Number 1=541-30MAHCT-ND, Temperature Coefficient=500ppm/°C, Tolerance=5%, Case Code (Imperial)=0603, ComponentLink1Description=https://datasheet.ciiva.com/6566/dcrcwhe3-6566118.pdf?src-supplier=Digi-Key, ComponentLink1URL=https://datasheet.ciiva.com/6566/dcrcwhe3-6566118.pdf?src-supplier=Digi-Key, ComponentLink2Description=https://datasheet.ciiva.com/6566/dcrcwhe3-6566121.pdf?src-supplier=Digi-Key, ComponentLink2URL=https://datasheet.ciiva.com/6566/dcrcwhe3-6566121.pdf?src-supplier=Digi-Key, ComponentLink3Description=https://datasheet.ciiva.com/6566/dcrcwhe3-6566124.pdf?src-supplier=Digi-Key, ComponentLink3URL=https://datasheet.ciiva.com/6566/dcrcwhe3-6566124.pdf?src-supplier=Digi-Key, Composition="Thick Film", Contact Plating=Tin, Height=0.02inch, Length=0.061inch, Number of Terminations=2, Packaging="Tape and Reel", Pricing 1="1 = 0,40000, 10 = 0,28500, 100 = 0,11390, 1000 = 0,05610, 2500 = 0,05198 (USD)", Radiation Hardening=No, Resistance=30MR, RoHS=Yes, Stock 1=39597, Supplier 1=Digi-Key, Width=0.033inch
R34: library part Resistor_Chip, "Ceramic, SMT Capacitor", Case/Package=0603, Case Code (Metric)=1608, Manufacturer=Rohm, Manufacturer Part Number=ESR03EZPJ102, Max Operating Temperature=155°C, Max Power Dissipation=250mW, Min Operating Temperature=-55°C, Package Quantity=1, Supplier Part Number 1=RHM1.0KDCT-ND, Temperature Coefficient=200ppm/°C, Tolerance=5%, Case Code (Imperial)=0603, ComponentLink1Description=https://datasheet.ciiva.com/2469/esr-2469603.pdf?src-supplier=Digi-Key, ComponentLink1URL=https://datasheet.ciiva.com/2469/esr-2469603.pdf?src-supplier=Digi-Key, ComponentLink2Description=https://datasheet.ciiva.com/2469/esr-2469604.pdf?src-supplier=Digi-Key, ComponentLink2URL=https://datasheet.ciiva.com/2469/esr-2469604.pdf?src-supplier=Digi-Key, ComponentLink3Description=https://datasheet.ciiva.com/2469/esr-2469605.pdf?src-supplier=Digi-Key, ComponentLink3URL=https://datasheet.ciiva.com/2469/esr-2469605.pdf?src-supplier=Digi-Key, Composition="Thick Film", Features="Automotive AEC-Q200", Height=0.022inch, Lead Free="Lead Free", Length=0.063inch, Number of Terminations=2, Packaging="Tape and Reel", Pricing 1="1 = 0,10000, 10 = 0,08300, 100 = 0,03180, 1000 = 0,01398, 2500 = 0,01207 (USD)", Resistance=1kR, RoHS=Yes, Stock 1=148117, Supplier 1=Digi-Key, Width=0.031inch
Y1: library part ABS06-32.768KHZ-1-T, "CRYSTAL 32.7680KHZ 12.5PF SMD", Case/Package=CSMD, Device Package=2-SMD, ESR (Equivalent Series Resistance)=90kR, Frequency Stability=-, Frequency Tolerance=10ppm, Load Capacitance=12.5pF, Manufacturer="Abracon LLC", Max Operating Temperature=85°C, Min Operating Temperature=-40°C, Operating Mode=Fundamental, Package Quantity=3000, Supplier Part Number 1=535-10248-1-ND, ComponentLink1Description=Datasheet, ComponentLink1URL=http://www.abracon.com/Resonators/ABS06.pdf, ComponentLink2Description="Digi-Key Listing", ComponentLink2URL=http://www.digikey.com/product-detail/en/ABS06-32.768KHZ-1-T/535-10248-2-ND/2217994, ComponentLink3Description=https://datasheet.ciiva.com/15116/getdatasheetpartid-721079-15116832.pdf?src-supplier=Verical, ComponentLink3URL=https://datasheet.ciiva.com/15116/getdatasheetpartid-721079-15116832.pdf?src-supplier=Verical, ComponentLink4Description=https://datasheet.ciiva.com/7998/abs06-7998658.pdf?src-supplier=Element14, ComponentLink4URL=https://datasheet.ciiva.com/7998/abs06-7998658.pdf?src-supplier=Element14, ComponentLink5Description=https://datasheet.ciiva.com/1357/1796520-1357315.pdf?src-supplier=Element14, ComponentLink5URL=https://datasheet.ciiva.com/1357/1796520-1357315.pdf?src-supplier=Element14, ComponentLink6Description=https://datasheet.ciiva.com/28508/1912788-28508597.pdf?src-supplier=Element14, ComponentLink6URL=https://datasheet.ciiva.com/28508/1912788-28508597.pdf?src-supplier=Element14, ComponentLink7Description=https://datasheet.ciiva.com/856/abs06-856604.pdf?src-supplier=Digi-Key, ComponentLink7URL=https://datasheet.ciiva.com/856/abs06-856604.pdf?src-supplier=Digi-Key, ComponentLink8Description=https://datasheet.ciiva.com/3176/abs06-3176156.pdf?src-supplier=Avnet, ComponentLink8URL=https://datasheet.ciiva.com/3176/abs06-3176156.pdf?src-supplier=Avnet, ComponentLink9Description=https://datasheet.ciiva.com/856/abs06-856605.pdf?src-supplier=Digi-Key, ComponentLink9URL=https://datasheet.ciiva.com/856/abs06-856605.pdf?src-supplier=Digi-Key, ComponentLink10Description=https://datasheet.ciiva.com/856/abs06-856606.pdf?src-supplier=Digi-Key, ComponentLink10URL=https://datasheet.ciiva.com/856/abs06-856606.pdf?src-supplier=Digi-Key, Depth=1.2mm, ESR="90 kOhm", Frequency=32.768kHz, Height=0.024inch, Lead Free="Lead Free", Length=2mm, Manufacturer Part Number=ABS06-32.768KHZ-1-T, Mount="Surface Mount", Number of Pins=2, Packaging="Tape and Reel", PartId=8532, Pricing 1="1 = 0,80000, 10 = 0,70800, 50 = 0,66220, 100 = 0,58520, 500 = 0,55440, 1000 = 0,46200 (USD)", Radiation Hardening=No, REACH SVHC="No SVHC", RoHS=Yes, Series Resistance=90kR, Stock 2=63513, Supplier 1=Digi-Key, Termination=SMD/SMT, Tolerance=10ppm, Type="kHz Crystal (Tuning Fork)", Width=1.2mm
Y2: library part ASD1-1.544MHZ-EC-T, "OSC XO 1.544MHZ CMOS SMD", Frequency Stability=±25ppm, Manufacturer="ECS Inc.", Manufacturer Part Number=ECS-3225MV-240-CN-TR, Supplier Part Number 1=XC2884CT-ND, Voltage - Supply="1.62V ~ 3.63V", Base Resonator=Crystal, ComponentLink1Description=Datasheet, ComponentLink1URL=http://www.abracon.com/Oscillators/ASDseries.pdf, ComponentLink2Description="Digi-Key Listing", ComponentLink2URL=https://www.digikey.com/product-detail/en/ASD1-1.544MHZ-EC-T/535-9579-2-ND/1236896, ComponentLink3Description=https://www.ecsxtal.com/store/pdf/ECS-3225MV.pdf?src-supplier=Digi-Key, ComponentLink3URL=https://www.ecsxtal.com/store/pdf/ECS-3225MV.pdf?src-supplier=Digi-Key, Frequency=24MHz, Function=Enable/Disable, Output=HCMOS, Packaging="Cut Tape (CT)", Pricing 1="1 = 0,92000, 10 = 0,81700, 50 = 0,76380, 100 = 0,67510, 500 = 0,63954 (USD)", RoHS=No, Series=ECS-3225MV, Stock 1=1655, Supplier 1=Digi-Key, Type="XO (Standard)"
µUSB1: library part "USB 2.0 Type B Micro", Color=Black, Current Rating=1.8A, Flammability Rating="UL94 V-0", Insulation Resistance=1GR, Manufacturer="Amphenol FCI", Manufacturer Part Number=10118193-0001LF, Max Operating Temperature=85°C, Max Voltage Rating (AC)=100V, Min Operating Temperature=-55°C, Package Quantity=1200, Supplier Part Number 1=609-4616-1-ND, ComponentLink1Description=https://datasheet.ciiva.com/14802/10118193-0001lf-webpage-14802386.pdf?src-supplier=Arrow, ComponentLink1URL=https://datasheet.ciiva.com/14802/10118193-0001lf-webpage-14802386.pdf?src-supplier=Arrow, ComponentLink2Description=https://datasheet.ciiva.com/851/10118193-851106.pdf?src-supplier=Digi-Key, ComponentLink2URL=https://datasheet.ciiva.com/851/10118193-851106.pdf?src-supplier=Digi-Key, ComponentLink3Description=https://datasheet.ciiva.com/26853/getdatasheetpartid-418618-26853893.pdf?src-supplier=Verical, ComponentLink3URL=https://datasheet.ciiva.com/26853/getdatasheetpartid-418618-26853893.pdf?src-supplier=Verical, ComponentLink4Description=https://datasheet.ciiva.com/4598/10118193ac-197151-4598799.pdf?src-supplier=Mouser, ComponentLink4URL=https://datasheet.ciiva.com/4598/10118193ac-197151-4598799.pdf?src-supplier=Mouser, ComponentLink5Description=https://datasheet.ciiva.com/851/10118193-851108.pdf?src-supplier=Digi-Key, ComponentLink5URL=https://datasheet.ciiva.com/851/10118193-851108.pdf?src-supplier=Digi-Key, ComponentLink6Description=https://datasheet.ciiva.com/14618/70236827-14618887.pdf?src-supplier=Allied+Electronics, ComponentLink6URL=https://datasheet.ciiva.com/14618/70236827-14618887.pdf?src-supplier=Allied+Electronics, ComponentLink7Description=https://datasheet.ciiva.com/851/10118193-851107.pdf?src-supplier=Digi-Key, ComponentLink7URL=https://datasheet.ciiva.com/851/10118193-851107.pdf?src-supplier=Digi-Key, Connector Type=USB,Receptacle, Contact Material="Copper Alloy", Contact Plating=Gold, Depth=5.67mm, Features=Shielded, Gender=Female, Housing Material=Polymer, Length=7.86mm, Mount="Surface Mount,Horizontal", Number of Contacts=5, Number of Ports=1, Number of Terminals=5, Orientation="Right Angle", Packaging="Tape and Reel", Pitch=0.65mm, Pricing 1="1 = 0,43000, 10 = 0,40500, 25 = 0,36480, 50 = 0,32420, 100 = 0,31070, 250 = 0,28368, 500 = 0,27016 (USD)", Radiation Hardening=No, RoHS=Yes, Stock 1=57004, Supplier 1=Digi-Key, Termination=Solder, Voltage Rating=100V

## Free pads (board coordinates)
  rrect50% 0.5x1 smd: 1(36.93,11.048) 2(37.63,11.023) 3(38.33,11.048) 4(36.93,12.248) 5(37.63,12.248) 6(38.33,12.248)
  rect 1.5x1.5 hole 0.9: 1(63.77,45.47)
  round 1.5 hole 0.9: 2(63.77,42.93) 3(63.77,40.39) 4(63.77,37.85) 5(63.77,35.31) 6(63.77,32.77) 7(63.77,30.23) 8(63.77,27.69) 9(63.77,25.15) 10(63.77,22.61) 11(63.77,20.07) 12(63.77,17.53) 13(61.23,45.47) 14(61.23,42.905) 15(61.23,40.39) 16(61.23,37.85) 17(61.23,35.31) 18(61.23,32.77) 19(61.23,30.23) 20(61.23,27.69) 21(61.23,25.15) 22(61.23,22.61) 23(61.23,20.07) 24(61.23,17.53)
  round 2 hole 3: ""(42.975,48) ""(62.975,15)

## Via types
v1: diameter 0.45, hole 0.2, L1 to L6, tented both sides, 367 vias
v2: diameter 0.5, hole 0.2, L1 to L6, 12 vias
v3: diameter 0.4, hole 0.2, L1 to L6, tented both sides, 5 vias
v4: diameter 0.5, hole 0.5, L1 to L6, 4 vias
v5: diameter 0.7, hole 0.35, L1 to L6, tented both sides, 1 vias

## Nets (pads, with @x,y where several pads share a name; then routed paths per layer and width w, separated by ;. In a path a pad name is that pad's centre, name@x,y a point inside that pad or via, vN(x,y) a via of type N, cw(c..) or ccw(c..) an arc to the next point about the centre after c; other vN are vias at no path point)
3v3: BT2.1 C2.2 C4.1 C5.1 C6.1 C9.1 C10.2 C11.1 C12.1 C13.1 C14.1 C15.1 C16.1 C17.1 C29.2 IC1.D8 IC1.F1 IC1.G5 IC2.5 IC2.6 IC2.7 IC3.8 IC4.A7 IC4.A9 IC4.B3 IC4.C7 IC4.D3 IC4.E7 IC4.J9 J3.4 R1.2 R2.2 R3.2 R4.2 R5.2 R6.1 R8.2 R9.2 R10.2 R11.2 R12.2 R13.2 R14.2 R15.1 R22.1 R23.2 R35.1 Y2.4 | length 25
  L1 w0.089: v1(3.85,30.975) IC1.G5@4.25,31.375 ; v1(3.875,42.9) IC4.A9@4.275,42.5 ; v1(5.475,42.9) IC4.A7@5.875,42.5 ; v1(5.475,44.5) IC4.C7@5.875,44.1 ; v1(5.475,46.1) IC4.E7@5.875,45.7 ; IC4.D3@9.075,44.9 v1(9.475,45.3)
  L1 w0.1: C15.1@2.505,48.9 2.507,48.902 4.273,48.902 IC4.J9@4.275,48.9
  L1 w0.2: R3.2@4.875,38.45 C4.1@6.425,38.45 ; IC1.F1@5.25,35.375 6.425,36.55 C4.1@6.425,38.45 ; v1(5.975,21.925) R35.1@6.65,21.925 ; v1(6.425,39.425) C4.1@6.425,38.45 ; IC1.D8@7.25,28.375 7.25,25.9 C6.1@7.775,25.375 ; R22.1@28.2,33.25 30.25,33.25 31.55,34.55 Y2.4@31.65,34.55 33,33.2 C29.2@33.4,33.2 33.375,33.225 v1(33.375,33.925) ; R15.1@31.4,44.075 v1(32.355,44.075) ; v1(38.35,47.3) BT2.1@39.5,47.3
  L1 w0.5: R23.2@38.905,14.648 v5(39.625,14.648)
5V: C61.2 IC7.3 IC10.4 J1.1 J2.1 J5.MP2 J6.MP2 J7.MP2 J8.MP2 J9.1 J11.MP2 pad.22 pad.23 pad.24 R27.1 R30.2 R32.2 µUSB1.1 | length 2.1
  L1 w0.2: v1(9.625,14.55) R32.2@9.625,15.225
  L1 w0.5: IC10.4@10.875,21.325 C61.2@12.325,21.325
A0: IC1.E2 IC4.H7 IC6.D2 | length 3.1
  L1 w0.089: v1(5.475,48.5) IC4.H7@5.875,48.1 ; v1(5.85,34.775) IC1.E2@6.25,34.375 ; IC6.D2@33.275,25.101 v1(33.675,25.501)
  L3 w0.089: v1(33.675,25.501) 34.075,25.9 34.075,26.736
A1: IC1.D2 IC4.H8 IC6.E2 | length 3.1
  L1 w0.089: v1(4.675,48.5) IC4.H8@5.075,48.1 ; IC1.D2@7.25,34.375 v1(7.65,34.775) ; IC6.E2@32.475,25.101 v1(32.875,25.501)
  L3 w0.089: v1(32.875,25.501) 33.275,25.9 33.275,26.736
A2: IC1.C2 IC4.J8 IC6.G2 | length 2.9
  L1 w0.089: v1(4.675,49.3) IC4.J8@5.075,48.9 ; IC1.C2@8.25,34.375 v1(8.65,34.775) ; IC6.G2@30.875,25.101 v1(31.275,25.501)
  L3 w0.089: v1(31.275,25.501) 31.275,26.736
A3: IC1.A2 IC4.J7 IC6.H2 | length 2.9
  L1 w0.089: v1(5.475,49.3) IC4.J7@5.875,48.9 ; IC1.A2@10.25,34.375 v1(10.65,34.775) ; IC6.H2@30.075,25.101 v1(30.475,25.501) 30.475,26.736
A4: IC1.B2 IC4.J3 IC6.J2 | length 3.1
  L1 w0.089: IC4.J3@9.075,48.9 v1(9.475,49.3) ; IC1.B2@9.25,34.375 v1(9.65,34.775) ; v1(28.875,25.501) IC6.J2@29.275,25.101
  L3 w0.089: 28.475,26.736 28.475,25.9 v1(28.875,25.501)
A5: IC1.D3 IC4.J2 IC6.K3 | length 3.9
  L1 w0.089: IC1.D3@7.25,33.375 v1(7.65,33.775) ; IC4.J2@9.875,48.9 v1(10.275,49.3) ; v1(28.075,24.7) IC6.K3@28.475,24.3
  L4 w0.089: 27.675,26.736 27.675,25.1 v1(28.075,24.7)
A6: IC1.C3 IC4.H3 IC6.M6 | length 4.7
  L1 w0.089: IC1.C3@8.25,33.375 v1(8.65,33.775) ; IC4.H3@9.075,48.1 v1(9.475,48.5) ; v1(26.475,22.3) IC6.M6@26.875,21.9
  L6 w0.089: 23.64,22.7 26.075,22.7 v1(26.475,22.3)
A7: IC1.A3 IC4.H2 IC6.N6 | length 3.9
  L1 w0.089: IC4.H2@9.875,48.1 v1(10.275,48.5) ; IC1.A3@10.25,33.375 v1(10.65,33.775) ; v1(25.675,22.3) IC6.N6@26.075,21.9
  L4 w0.089: 23.64,22.7 25.275,22.7 v1(25.675,22.3)
A8: IC1.B6 IC4.H1 IC6.P6 | length 3.1
  L1 w0.089: IC1.B6@9.25,30.375 v1(9.65,29.975) ; IC4.H1@10.675,48.1 v1(11.075,48.5) ; v1(24.875,22.3) IC6.P6@25.275,21.9
  L3 w0.089: 23.64,22.7 24.475,22.7 v1(24.875,22.3)
A9: IC1.A6 IC4.G3 IC6.M8 | length 4.7
  L1 w0.089: IC4.G3@9.075,47.3 v1(9.475,47.7) ; IC1.A6@10.25,30.375 v1(10.65,29.975) ; v1(26.475,20.7) IC6.M8@26.875,20.3
  L4 w0.089: 23.64,20.3 26.075,20.3 v1(26.475,20.7)
A10: IC1.C6 IC4.H9 IC6.N7 | length 3.9
  L1 w0.089: v1(3.875,48.5) IC4.H9@4.275,48.1 ; IC1.C6@8.25,30.375 v1(8.65,29.975) ; v1(25.675,21.5) IC6.N7@26.075,21.1
  L4 w0.089: 23.64,21.9 25.275,21.9 v1(25.675,21.5)
A11: IC1.D6 IC4.G2 IC6.M7 | length 4.7
  L1 w0.089: IC1.D6@7.25,30.375 v1(7.65,29.975) ; IC4.G2@9.875,47.3 v1(10.275,47.7) ; v1(26.475,21.5) IC6.M7@26.875,21.1
  L4 w0.089: 23.64,21.1 26.075,21.1 v1(26.475,21.5)
A12: IC1.B7 IC4.G1 IC6.M13 | length 3.9
  L1 w0.089: IC1.B7@9.25,29.375 v1(9.65,28.975) ; IC4.G1@10.675,47.3 v1(11.075,47.7) ; v1(26.475,15.899) IC6.M13@26.875,16.299
  L4 w0.089: 26.075,13.864 26.075,15.499 v1(26.475,15.899)
A13: IC1.A7 IC6.M12 | length 4.1
  L1 w0.089: IC1.A7@10.25,29.375 v1(10.65,28.975) ; v1(26.475,16.7) IC6.M12@26.875,17.1
  L6 w0.089: 23.64,16.3 26.075,16.3 v1(26.475,16.7)